# Altium PCB PCB3.PcbDoc (part 4 of 9)
Units mm, origin at the board's own origin, x right, y up, seen from the top; angles counter-clockwise.
Board outline 233.8 x 110.5 mm, 4 copper layers (Top Layer, Layer 1, Layer 2, Bottom Layer), stack 0.603 mm thick; 1414 components, 1732 nets, 4924 pads, 691 vias.
Unrouted connection lines stored in the file: 2464.
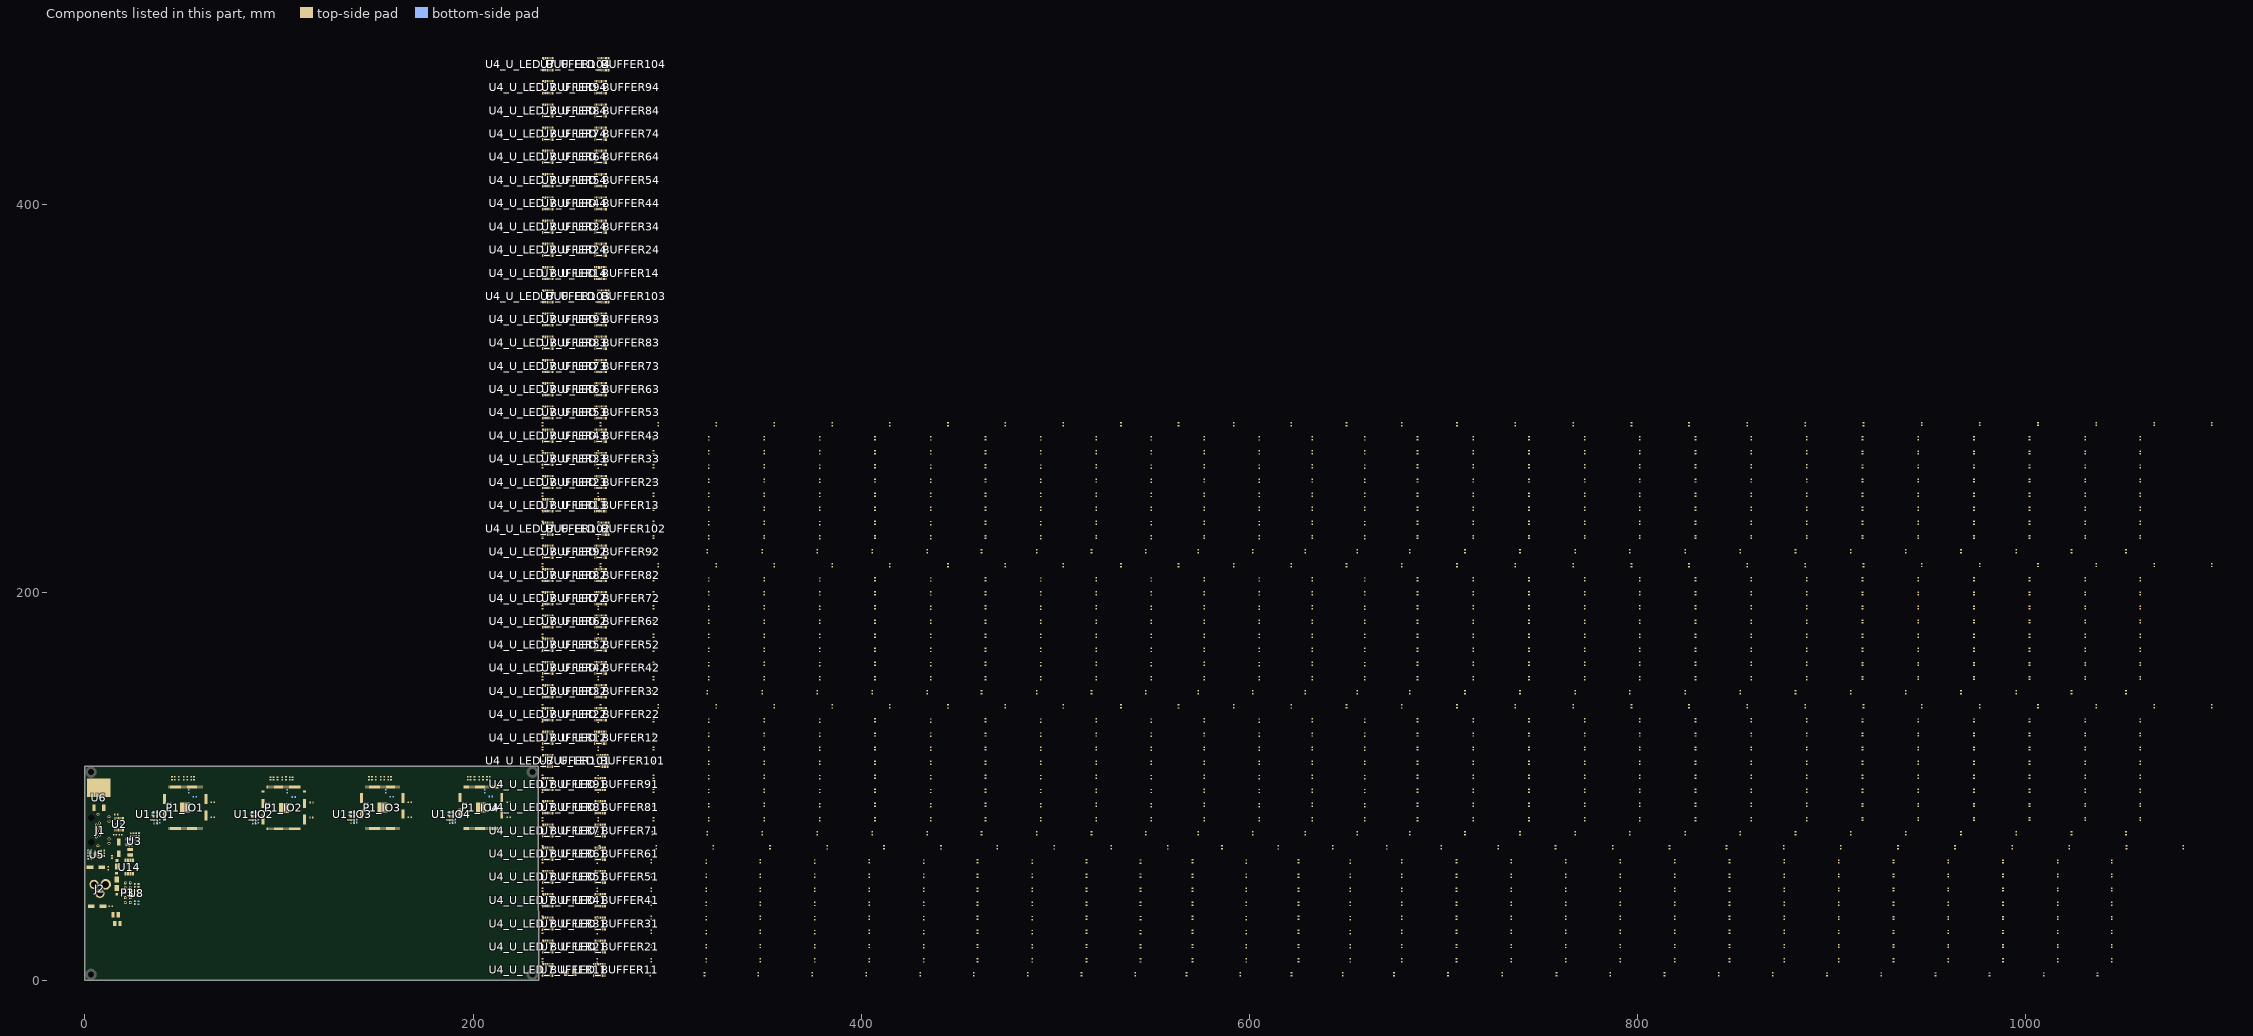
[diagram p6: the components of this part, seen from the top]

## Components (designator, comment, footprint, x,y, rotation, side; value= is the part's Value field where it differs from the comment) (continued)
R54_U_LED_BUFFER21 "33R" 0603R 678.698,10.45 r90 top (schematic designator R54)
R54_U_LED_BUFFER22 "33R" 0603R 686.798,83.15 r90 top (schematic designator R54)
R54_U_LED_BUFFER23 "33R" 0603R 686.798,155.849 r90 top (schematic designator R54)
R54_U_LED_BUFFER24 "33R" 0603R 686.798,228.549 r90 top (schematic designator R54)
R54_U_LED_BUFFER31 "33R" 0603R 678.698,17.75 r90 top (schematic designator R54)
R54_U_LED_BUFFER32 "33R" 0603R 686.798,90.45 r90 top (schematic designator R54)
R54_U_LED_BUFFER33 "33R" 0603R 686.798,163.149 r90 top (schematic designator R54)
R54_U_LED_BUFFER34 "33R" 0603R 686.798,235.849 r90 top (schematic designator R54)
R54_U_LED_BUFFER41 "33R" 0603R 678.698,25.05 r90 top (schematic designator R54)
R54_U_LED_BUFFER42 "33R" 0603R 686.798,97.75 r90 top (schematic designator R54)
R54_U_LED_BUFFER43 "33R" 0603R 686.798,170.449 r90 top (schematic designator R54)
R54_U_LED_BUFFER44 "33R" 0603R 686.798,243.149 r90 top (schematic designator R54)
R54_U_LED_BUFFER51 "33R" 0603R 678.698,32.25 r90 top (schematic designator R54)
R54_U_LED_BUFFER52 "33R" 0603R 686.798,104.95 r90 top (schematic designator R54)
R54_U_LED_BUFFER53 "33R" 0603R 686.798,177.649 r90 top (schematic designator R54)
R54_U_LED_BUFFER54 "33R" 0603R 686.798,250.349 r90 top (schematic designator R54)
R54_U_LED_BUFFER61 "33R" 0603R 678.698,39.55 r90 top (schematic designator R54)
R54_U_LED_BUFFER62 "33R" 0603R 686.798,112.25 r90 top (schematic designator R54)
R54_U_LED_BUFFER63 "33R" 0603R 686.798,184.949 r90 top (schematic designator R54)
R54_U_LED_BUFFER64 "33R" 0603R 686.798,257.649 r90 top (schematic designator R54)
R54_U_LED_BUFFER71 "33R" 0603R 678.698,46.85 r90 top (schematic designator R54)
R54_U_LED_BUFFER72 "33R" 0603R 686.798,119.549 r90 top (schematic designator R54)
R54_U_LED_BUFFER73 "33R" 0603R 686.798,192.249 r90 top (schematic designator R54)
R54_U_LED_BUFFER74 "33R" 0603R 686.798,264.949 r90 top (schematic designator R54)
R54_U_LED_BUFFER81 "33R" 0603R 678.698,54.05 r90 top (schematic designator R54)
R54_U_LED_BUFFER82 "33R" 0603R 686.798,126.749 r90 top (schematic designator R54)
R54_U_LED_BUFFER83 "33R" 0603R 686.798,199.449 r90 top (schematic designator R54)
R54_U_LED_BUFFER84 "33R" 0603R 686.798,272.149 r90 top (schematic designator R54)
R54_U_LED_BUFFER91 "33R" 0603R 678.698,61.35 r90 top (schematic designator R54)
R54_U_LED_BUFFER92 "33R" 0603R 686.798,134.049 r90 top (schematic designator R54)
R54_U_LED_BUFFER93 "33R" 0603R 686.798,206.749 r90 top (schematic designator R54)
R54_U_LED_BUFFER94 "33R" 0603R 686.798,279.449 r90 top (schematic designator R54)
R54_U_LED_BUFFER101 "33R" 0603R 698.998,68.65 r90 top (schematic designator R54)
R54_U_LED_BUFFER102 "33R" 0603R 707.098,141.349 r90 top (schematic designator R54)
R54_U_LED_BUFFER103 "33R" 0603R 707.098,214.049 r90 top (schematic designator R54)
R54_U_LED_BUFFER104 "33R" 0603R 707.098,286.749 r90 top (schematic designator R54)
U1_IO1 "OSC-25" ASE-25.000MHZ-LC-T 36.257,85.686 r270 top value=25MHZ (schematic designator U1)
U1_IO2 "OSC-25" ASE-25.000MHZ-LC-T 87.085,85.62 r270 top value=25MHZ (schematic designator U1)
U1_IO3 "OSC-25" ASE-25.000MHZ-LC-T 137.807,85.707 r270 top value=25MHZ (schematic designator U1)
U1_IO4 "OSC-25" ASE-25.000MHZ-LC-T 188.683,85.711 r270 top value=25MHZ (schematic designator U1)
U2 "MAX3232CPWR" MAX3232CPWR 17.632,80.481 r90 top
U3 "MP2333HGTL" MP2333HGTL-P 25.421,71.626 r90 top value=3.3V
U4_U_LED_BUFFER11 "NTS0308" NTS0308EPWJ 238.699,5.45 r90 top value=8-BIT (schematic designator U4)
U4_U_LED_BUFFER12 "NTS0308" NTS0308EPWJ 238.699,125.149 r90 top value=8-BIT (schematic designator U4)
U4_U_LED_BUFFER13 "NTS0308" NTS0308EPWJ 238.699,244.849 r90 top value=8-BIT (schematic designator U4)
U4_U_LED_BUFFER14 "NTS0308" NTS0308EPWJ 238.699,364.549 r90 top value=8-BIT (schematic designator U4)
U4_U_LED_BUFFER21 "NTS0308" NTS0308EPWJ 238.699,17.45 r90 top value=8-BIT (schematic designator U4)
U4_U_LED_BUFFER22 "NTS0308" NTS0308EPWJ 238.699,137.149 r90 top value=8-BIT (schematic designator U4)
U4_U_LED_BUFFER23 "NTS0308" NTS0308EPWJ 238.699,256.849 r90 top value=8-BIT (schematic designator U4)
U4_U_LED_BUFFER24 "NTS0308" NTS0308EPWJ 238.699,376.549 r90 top value=8-BIT (schematic designator U4)
U4_U_LED_BUFFER31 "NTS0308" NTS0308EPWJ 238.699,29.35 r90 top value=8-BIT (schematic designator U4)
U4_U_LED_BUFFER32 "NTS0308" NTS0308EPWJ 238.699,149.049 r90 top value=8-BIT (schematic designator U4)
U4_U_LED_BUFFER33 "NTS0308" NTS0308EPWJ 238.699,268.749 r90 top value=8-BIT (schematic designator U4)
U4_U_LED_BUFFER34 "NTS0308" NTS0308EPWJ 238.699,388.449 r90 top value=8-BIT (schematic designator U4)
U4_U_LED_BUFFER41 "NTS0308" NTS0308EPWJ 238.699,41.35 r90 top value=8-BIT (schematic designator U4)
U4_U_LED_BUFFER42 "NTS0308" NTS0308EPWJ 238.699,161.049 r90 top value=8-BIT (schematic designator U4)
U4_U_LED_BUFFER43 "NTS0308" NTS0308EPWJ 238.699,280.749 r90 top value=8-BIT (schematic designator U4)
U4_U_LED_BUFFER44 "NTS0308" NTS0308EPWJ 238.699,400.449 r90 top value=8-BIT (schematic designator U4)
U4_U_LED_BUFFER51 "NTS0308" NTS0308EPWJ 238.699,53.35 r90 top value=8-BIT (schematic designator U4)
U4_U_LED_BUFFER52 "NTS0308" NTS0308EPWJ 238.699,173.049 r90 top value=8-BIT (schematic designator U4)
U4_U_LED_BUFFER53 "NTS0308" NTS0308EPWJ 238.699,292.749 r90 top value=8-BIT (schematic designator U4)
U4_U_LED_BUFFER54 "NTS0308" NTS0308EPWJ 238.699,412.449 r90 top value=8-BIT (schematic designator U4)
U4_U_LED_BUFFER61 "NTS0308" NTS0308EPWJ 238.699,65.35 r90 top value=8-BIT (schematic designator U4)
U4_U_LED_BUFFER62 "NTS0308" NTS0308EPWJ 238.699,185.049 r90 top value=8-BIT (schematic designator U4)
U4_U_LED_BUFFER63 "NTS0308" NTS0308EPWJ 238.699,304.749 r90 top value=8-BIT (schematic designator U4)
U4_U_LED_BUFFER64 "NTS0308" NTS0308EPWJ 238.699,424.449 r90 top value=8-BIT (schematic designator U4)
U4_U_LED_BUFFER71 "NTS0308" NTS0308EPWJ 238.699,77.25 r90 top value=8-BIT (schematic designator U4)
U4_U_LED_BUFFER72 "NTS0308" NTS0308EPWJ 238.699,196.949 r90 top value=8-BIT (schematic designator U4)
U4_U_LED_BUFFER73 "NTS0308" NTS0308EPWJ 238.699,316.649 r90 top value=8-BIT (schematic designator U4)
U4_U_LED_BUFFER74 "NTS0308" NTS0308EPWJ 238.699,436.349 r90 top value=8-BIT (schematic designator U4)
U4_U_LED_BUFFER81 "NTS0308" NTS0308EPWJ 238.699,89.25 r90 top value=8-BIT (schematic designator U4)
U4_U_LED_BUFFER82 "NTS0308" NTS0308EPWJ 238.699,208.949 r90 top value=8-BIT (schematic designator U4)
U4_U_LED_BUFFER83 "NTS0308" NTS0308EPWJ 238.699,328.649 r90 top value=8-BIT (schematic designator U4)
U4_U_LED_BUFFER84 "NTS0308" NTS0308EPWJ 238.699,448.349 r90 top value=8-BIT (schematic designator U4)
U4_U_LED_BUFFER91 "NTS0308" NTS0308EPWJ 238.699,101.25 r90 top value=8-BIT (schematic designator U4)
U4_U_LED_BUFFER92 "NTS0308" NTS0308EPWJ 238.699,220.949 r90 top value=8-BIT (schematic designator U4)
U4_U_LED_BUFFER93 "NTS0308" NTS0308EPWJ 238.699,340.649 r90 top value=8-BIT (schematic designator U4)
U4_U_LED_BUFFER94 "NTS0308" NTS0308EPWJ 238.699,460.349 r90 top value=8-BIT (schematic designator U4)
U4_U_LED_BUFFER101 "NTS0308" NTS0308EPWJ 238.699,113.15 r90 top value=8-BIT (schematic designator U4)
U4_U_LED_BUFFER102 "NTS0308" NTS0308EPWJ 238.699,232.849 r90 top value=8-BIT (schematic designator U4)
U4_U_LED_BUFFER103 "NTS0308" NTS0308EPWJ 238.699,352.549 r90 top value=8-BIT (schematic designator U4)
U4_U_LED_BUFFER104 "NTS0308" NTS0308EPWJ 238.699,472.249 r90 top value=8-BIT (schematic designator U4)
U5 "TPS2121" TPS2121RUXT 5.979,64.896 r270 top
U6 "LD1085D2T33R" LD1085D2T33R 7.144,99.321 r90 top value=3.3V
U7_U_LED_BUFFER11 "74LV244APWJ" 74LV244APWJ 265.099,5.45 r90 top (schematic designator U7)
U7_U_LED_BUFFER12 "74LV244APWJ" 74LV244APWJ 265.599,125.149 r90 top (schematic designator U7)
U7_U_LED_BUFFER13 "74LV244APWJ" 74LV244APWJ 265.599,244.849 r90 top (schematic designator U7)
U7_U_LED_BUFFER14 "74LV244APWJ" 74LV244APWJ 265.599,364.549 r90 top (schematic designator U7)
U7_U_LED_BUFFER21 "74LV244APWJ" 74LV244APWJ 265.399,17.45 r90 top (schematic designator U7)
U7_U_LED_BUFFER22 "74LV244APWJ" 74LV244APWJ 265.899,137.149 r90 top (schematic designator U7)
U7_U_LED_BUFFER23 "74LV244APWJ" 74LV244APWJ 265.899,256.849 r90 top (schematic designator U7)
U7_U_LED_BUFFER24 "74LV244APWJ" 74LV244APWJ 265.899,376.549 r90 top (schematic designator U7)
U7_U_LED_BUFFER31 "74LV244APWJ" 74LV244APWJ 265.399,29.35 r90 top (schematic designator U7)
U7_U_LED_BUFFER32 "74LV244APWJ" 74LV244APWJ 265.899,149.049 r90 top (schematic designator U7)
U7_U_LED_BUFFER33 "74LV244APWJ" 74LV244APWJ 265.899,268.749 r90 top (schematic designator U7)
U7_U_LED_BUFFER34 "74LV244APWJ" 74LV244APWJ 265.899,388.449 r90 top (schematic designator U7)
U7_U_LED_BUFFER41 "74LV244APWJ" 74LV244APWJ 265.399,41.35 r90 top (schematic designator U7)
U7_U_LED_BUFFER42 "74LV244APWJ" 74LV244APWJ 265.899,161.049 r90 top (schematic designator U7)
U7_U_LED_BUFFER43 "74LV244APWJ" 74LV244APWJ 265.899,280.749 r90 top (schematic designator U7)
U7_U_LED_BUFFER44 "74LV244APWJ" 74LV244APWJ 265.899,400.449 r90 top (schematic designator U7)
U7_U_LED_BUFFER51 "74LV244APWJ" 74LV244APWJ 265.399,53.35 r90 top (schematic designator U7)
U7_U_LED_BUFFER52 "74LV244APWJ" 74LV244APWJ 265.899,173.049 r90 top (schematic designator U7)
U7_U_LED_BUFFER53 "74LV244APWJ" 74LV244APWJ 265.899,292.749 r90 top (schematic designator U7)
U7_U_LED_BUFFER54 "74LV244APWJ" 74LV244APWJ 265.899,412.449 r90 top (schematic designator U7)
U7_U_LED_BUFFER61 "74LV244APWJ" 74LV244APWJ 265.399,65.35 r90 top (schematic designator U7)
U7_U_LED_BUFFER62 "74LV244APWJ" 74LV244APWJ 265.899,185.049 r90 top (schematic designator U7)
U7_U_LED_BUFFER63 "74LV244APWJ" 74LV244APWJ 265.899,304.749 r90 top (schematic designator U7)
U7_U_LED_BUFFER64 "74LV244APWJ" 74LV244APWJ 265.899,424.449 r90 top (schematic designator U7)
U7_U_LED_BUFFER71 "74LV244APWJ" 74LV244APWJ 265.399,77.25 r90 top (schematic designator U7)
U7_U_LED_BUFFER72 "74LV244APWJ" 74LV244APWJ 265.899,196.949 r90 top (schematic designator U7)
U7_U_LED_BUFFER73 "74LV244APWJ" 74LV244APWJ 265.899,316.649 r90 top (schematic designator U7)
U7_U_LED_BUFFER74 "74LV244APWJ" 74LV244APWJ 265.899,436.349 r90 top (schematic designator U7)
U7_U_LED_BUFFER81 "74LV244APWJ" 74LV244APWJ 265.399,89.25 r90 top (schematic designator U7)
U7_U_LED_BUFFER82 "74LV244APWJ" 74LV244APWJ 265.899,208.949 r90 top (schematic designator U7)
U7_U_LED_BUFFER83 "74LV244APWJ" 74LV244APWJ 265.899,328.649 r90 top (schematic designator U7)
U7_U_LED_BUFFER84 "74LV244APWJ" 74LV244APWJ 265.899,448.349 r90 top (schematic designator U7)
U7_U_LED_BUFFER91 "74LV244APWJ" 74LV244APWJ 265.399,101.25 r90 top (schematic designator U7)
U7_U_LED_BUFFER92 "74LV244APWJ" 74LV244APWJ 265.899,220.949 r90 top (schematic designator U7)
U7_U_LED_BUFFER93 "74LV244APWJ" 74LV244APWJ 265.899,340.649 r90 top (schematic designator U7)
U7_U_LED_BUFFER94 "74LV244APWJ" 74LV244APWJ 265.899,460.349 r90 top (schematic designator U7)
U7_U_LED_BUFFER101 "74LV244APWJ" 74LV244APWJ 266.699,113.15 r90 top (schematic designator U7)
U7_U_LED_BUFFER102 "74LV244APWJ" 74LV244APWJ 267.199,232.849 r90 top (schematic designator U7)
U7_U_LED_BUFFER103 "74LV244APWJ" 74LV244APWJ 267.199,352.549 r90 top (schematic designator U7)
U7_U_LED_BUFFER104 "74LV244APWJ" 74LV244APWJ 267.199,472.249 r90 top (schematic designator U7)
U8 "NUP4114" NUP4114HMR6T1G 26.524,44.903 r270 top value=TVS
U14 "74HC151DB,118" 74HC151DB,118 22.856,58.431 r90 top

## Footprints (in the part's own frame and the unit in brackets; to place one, negate y for a bottom-side part, rotate by r counter-clockwise, add the part's x,y. Pads: shape width x height; smd on the part's side, far side on the other; paste and mask are expansions set on the pad)
10M04SCE144C8G [mm]
  rect 1.475x0.3 smd: 1(-10.738,8.75) 2(-10.738,8.25) 3(-10.738,7.75) 4(-10.738,7.25) 5(-10.738,6.75) 6(-10.738,6.25) 7(-10.738,5.75) 8(-10.738,5.25) 9(-10.738,4.75) 10(-10.738,4.25) 11(-10.738,3.75) 12(-10.738,3.25) 13(-10.738,2.75) 14(-10.738,2.25) 15(-10.738,1.75) 16(-10.738,1.25) 17(-10.738,0.75) 18(-10.738,0.25) 19(-10.738,-0.25) 20(-10.738,-0.75) 21(-10.738,-1.25) 22(-10.738,-1.75) 23(-10.738,-2.25) 24(-10.738,-2.75) 25(-10.738,-3.25) 26(-10.738,-3.75) 27(-10.738,-4.25) 28(-10.738,-4.75) 29(-10.738,-5.25) 30(-10.738,-5.75) 31(-10.738,-6.25) 32(-10.738,-6.75) 33(-10.738,-7.25) 34(-10.738,-7.75) 35(-10.738,-8.25) 36(-10.738,-8.75) 73(10.738,-8.75) 74(10.738,-8.25) 75(10.738,-7.75) 76(10.738,-7.25) 77(10.738,-6.75) 78(10.738,-6.25) 79(10.738,-5.75) 80(10.738,-5.25) 81(10.738,-4.75) 82(10.738,-4.25) 83(10.738,-3.75) 84(10.738,-3.25) 85(10.738,-2.75) 86(10.738,-2.25) 87(10.738,-1.75) 88(10.738,-1.25) 89(10.738,-0.75) 90(10.738,-0.25) 91(10.738,0.25) 92(10.738,0.75) 93(10.738,1.25) 94(10.738,1.75) 95(10.738,2.25) 96(10.738,2.75) 97(10.738,3.25) 98(10.738,3.75) 99(10.738,4.25) 100(10.738,4.75) 101(10.738,5.25) 102(10.738,5.75) 103(10.738,6.25) 104(10.738,6.75) 105(10.738,7.25) 106(10.738,7.75) 107(10.738,8.25) 108(10.738,8.75)
  rect 0.3x1.475 smd: 37(-8.75,-10.738) 38(-8.25,-10.738) 39(-7.75,-10.738) 40(-7.25,-10.738) 41(-6.75,-10.738) 42(-6.25,-10.738) 43(-5.75,-10.738) 44(-5.25,-10.738) 45(-4.75,-10.738) 46(-4.25,-10.738) 47(-3.75,-10.738) 48(-3.25,-10.738) 49(-2.75,-10.738) 50(-2.25,-10.738) 51(-1.75,-10.738) 52(-1.25,-10.738) 53(-0.75,-10.738) 54(-0.25,-10.738) 55(0.25,-10.738) 56(0.75,-10.738) 57(1.25,-10.738) 58(1.75,-10.738) 59(2.25,-10.738) 60(2.75,-10.738) 61(3.25,-10.738) 62(3.75,-10.738) 63(4.25,-10.738) 64(4.75,-10.738) 65(5.25,-10.738) 66(5.75,-10.738) 67(6.25,-10.738) 68(6.75,-10.738) 69(7.25,-10.738) 70(7.75,-10.738) 71(8.25,-10.738) 72(8.75,-10.738) 109(8.75,10.738) 110(8.25,10.738) 111(7.75,10.738) 112(7.25,10.738) 113(6.75,10.738) 114(6.25,10.738) 115(5.75,10.738) 116(5.25,10.738) 117(4.75,10.738) 118(4.25,10.738) 119(3.75,10.738) 120(3.25,10.738) 121(2.75,10.738) 122(2.25,10.738) 123(1.75,10.738) 124(1.25,10.738) 125(0.75,10.738) 126(0.25,10.738) 127(-0.25,10.738) 128(-0.75,10.738) 129(-1.25,10.738) 130(-1.75,10.738) 131(-2.25,10.738) 132(-2.75,10.738) 133(-3.25,10.738) 134(-3.75,10.738) 135(-4.25,10.738) 136(-4.75,10.738) 137(-5.25,10.738) 138(-5.75,10.738) 139(-6.25,10.738) 140(-6.75,10.738) 141(-7.25,10.738) 142(-7.75,10.738) 143(-8.25,10.738) 144(-8.75,10.738)
  rect 5.15x5.15 smd: 145(0,0)
  silkscreen extent -11.35,-9.78 9.78,9.78, body extent -11,-11 11,11, height 1.65
74HC151DB,118 [mm]
  rect 1.675x0.45 smd: 1(-3.488,2.275) 2(-3.488,1.625) 3(-3.488,0.975) 4(-3.488,0.325) 5(-3.488,-0.325) 6(-3.488,-0.975) 7(-3.488,-1.625) 8(-3.488,-2.275) 9(3.488,-2.275) 10(3.488,-1.625) 11(3.488,-0.975) 12(3.488,-0.325) 13(3.488,0.325) 14(3.488,0.975) 15(3.488,1.625) 16(3.488,2.275)
  silkscreen extent -4.32,-3.1 2.3,3.17, body extent -3.88,-3.1 3.88,3.1, height 2
74LV244APWJ [mm]
  rect 1.475x0.45 smd: 1(-2.938,2.925) 2(-2.938,2.275) 3(-2.938,1.625) 4(-2.938,0.975) 5(-2.938,0.325) 6(-2.938,-0.325) 7(-2.938,-0.975) 8(-2.938,-1.625) 9(-2.938,-2.275) 10(-2.938,-2.925) 11(2.938,-2.925) 12(2.938,-2.275) 13(2.938,-1.625) 14(2.938,-0.975) 15(2.938,-0.325) 16(2.938,0.325) 17(2.938,0.975) 18(2.938,1.625) 19(2.938,2.275) 20(2.938,2.925)
  silkscreen extent -3.67,-3.25 1.85,3.5, body extent -3.2,-3.25 3.2,3.25, height 1.1
0603C [mm]
  rect 0.762x0.9 smd: 1(-0.7,0) 2(0.7,0)
  silkscreen extent -1.27,-0.64 1.27,0.64, body extent -0.8,-0.4 0.8,0.4, height 0.93
0603R [mil]
  rect 30x35 smd: 1(30,0) 2(-30,0)
  silkscreen extent -50,-25 50,25, body extent -31,-17 31,17, height 18
1210C [mm]
  rect 1.6x2.794 smd: 1(-1.4,0) 2(1.4,0)
  silkscreen extent -2.41,-1.65 2.41,1.65, body extent -1.6,-1.25 1.6,1.25, height 2.5
ASE-25.000MHZ-LC-T [mm]
  rect 1.3x1.1 smd: 1(-1.05,-0.825) 2(1.05,-0.825) 3(1.05,0.825) 4(-1.05,0.825)
  silkscreen extent -1.6,-1.65 1.6,1.25, body extent -1.6,-1.26 1.6,1.26, height 1.1
EEE-FN1J100L [mm]
  rect 3.4x1.8 smd: 1(-3,0) 2(3,0)
  silkscreen extent -3.3,-3.3 3.3,3.3, body extent -3.9,-3.4 3.9,3.4, height 6.1
HDR2X5 [mm] "Connector; Header; 5x2 Position"
  rect 1.5x1.5 hole 0.9: 1(0,0)
  round 1.5 hole 0.9: 2(0,2.54) 3(2.54,0) 4(2.54,2.54) 5(5.08,0) 6(5.08,2.54) 7(7.62,0) 8(7.62,2.54) 9(10.16,0) 10(10.16,2.54)
  silkscreen extent -1.27,-1.27 11.43,3.81
IHLP1616BZER2R2M5A [mil]
  rect 90x120 smd: 1(0,0) 2(157.48,0)
  silkscreen extent -10,-85 165,85
LD1085D2T33R [mm]
  rect 3.5x1.6 smd: 1(-10.275,2.54) 3(-10.275,-2.54)
  rect 9.75x12.2 smd: 4(0,0)
  silkscreen extent -12.39,-5.1 -5.2,5.1, body extent -10.41,-3.25 -0.71,3.33, height 2.3
LED_0603 [mm]
  rect 0.7x0.8 smd: 1(-0.8,0) 2(0.8,0)
  silkscreen extent -1.35,-0.6 1.35,0.6, body extent -0.8,-0.4 0.8,0.4, height 0.75
MAX3232CPWR [mm]
  rect 1.475x0.45 smd: 1(-2.938,2.275) 2(-2.938,1.625) 3(-2.938,0.975) 4(-2.938,0.325) 5(-2.938,-0.325) 6(-2.938,-0.975) 7(-2.938,-1.625) 8(-2.938,-2.275) 9(2.938,-2.275) 10(2.938,-1.625) 11(2.938,-0.975) 12(2.938,-0.325) 13(2.938,0.325) 14(2.938,0.975) 15(2.938,1.625) 16(2.938,2.275)
  silkscreen extent -1.85,-2.5 1.85,2.5, body extent -3.2,-2.5 3.2,2.5, height 1.2
MP2333HGTL-P [mm]
  rect 0.475x0.3 smd: 1(-0.838,0.75) 2(-0.838,0.25) 3(-0.838,-0.25) 4(-0.838,-0.75) 5(0.838,-0.75) 6(0.838,-0.25) 7(0.838,0.25) 8(0.838,0.75)
  silkscreen extent -1.27,-1.05 0.25,1.42, body extent -0.8,-1.05 0.8,1.05, height 0.6
NTS0308EPWJ [mm]
  rect 1.475x0.45 smd: 1(-2.938,2.925) 2(-2.938,2.275) 3(-2.938,1.625) 4(-2.938,0.975) 5(-2.938,0.325) 6(-2.938,-0.325) 7(-2.938,-0.975) 8(-2.938,-1.625) 9(-2.938,-2.275) 10(-2.938,-2.925) 11(2.938,-2.925) 12(2.938,-2.275) 13(2.938,-1.625) 14(2.938,-0.975) 15(2.938,-0.325) 16(2.938,0.325) 17(2.938,0.975) 18(2.938,1.625) 19(2.938,2.275) 20(2.938,2.925)
  silkscreen extent -3.53,-3.25 1.85,3.5, body extent -3.2,-3.25 3.2,3.25, height 1.1
NUP4114HMR6T1G [mm]
  rect 1.25x0.6 smd: 1(-1.25,0.95) 2(-1.25,0) 3(-1.25,-0.95) 4(1.25,-0.95) 5(1.25,0) 6(1.25,0.95)
  silkscreen extent -1.5,-1.5 0.28,1.83, body extent -1.38,-1.5 1.38,1.5, height 1.1
PJ002BH [mm]
  round 5.46 hole 3.64: 1(0,0)
  round 4.74 hole 3.16: 2(6,0) 3(3,4.7)
  silkscreen extent -4,-4.5 13.75,4.5, body extent -0.73,-4.57 13.67,4.83, height 11.36
RJHSE5381 [mm]
  round 1.462 hole 0.94: 1(3.501,0.125) 2(2.481,1.905) 3(1.461,0.125) 4(0.441,1.905) 5(-0.579,0.125) 6(-1.599,1.905) 7(-2.619,0.125) 8(-3.639,1.905) 9(6.801,6.735) 10(4.511,6.735) 11(-4.649,6.735) 12(-6.939,6.735) MH1(-8.199,1.015) MH2(8.061,1.015)
  round 1.65 hole 3.3 unplated: MH3(-6.419,-2.415) MH4(6.281,-2.415)
  silkscreen extent -8.32,-7.88 8.93,7.88, body extent -8.57,-7.88 8.43,7.88, height 13.1
TPS2121RUXT [mm]
  rect 1.05x0.4 smd: 1(-0.675,0.35) 2(-0.675,-0.35) 7(0.675,-0.35) 8(0.675,0.35)
  rect 0.2x0.6 smd: 3(-0.75,-1.15) 4(-0.25,-1.15) 5(0.25,-1.15) 6(0.75,-1.15) 9(0.75,1.15) 10(0.25,1.15) 11(-0.25,1.15) 12(-0.75,1.15)
  silkscreen extent -1.6,-1.27 1.27,1.27, body extent -1,-1.25 1,1.25, height 1.1
V8PAM10SHM3H [mm]
  rect 3.1x2.2 smd: 1(-1.095,0)
  rect 1.5x1.52 smd: 2(2.125,0)
  silkscreen extent -2.92,-1.3 2.12,1.3, body extent -2.42,-1.3 2.73,1.3, height 1.1
